# Allegro board Single PMT Data AcquisitionV_3P3.brd (continued)
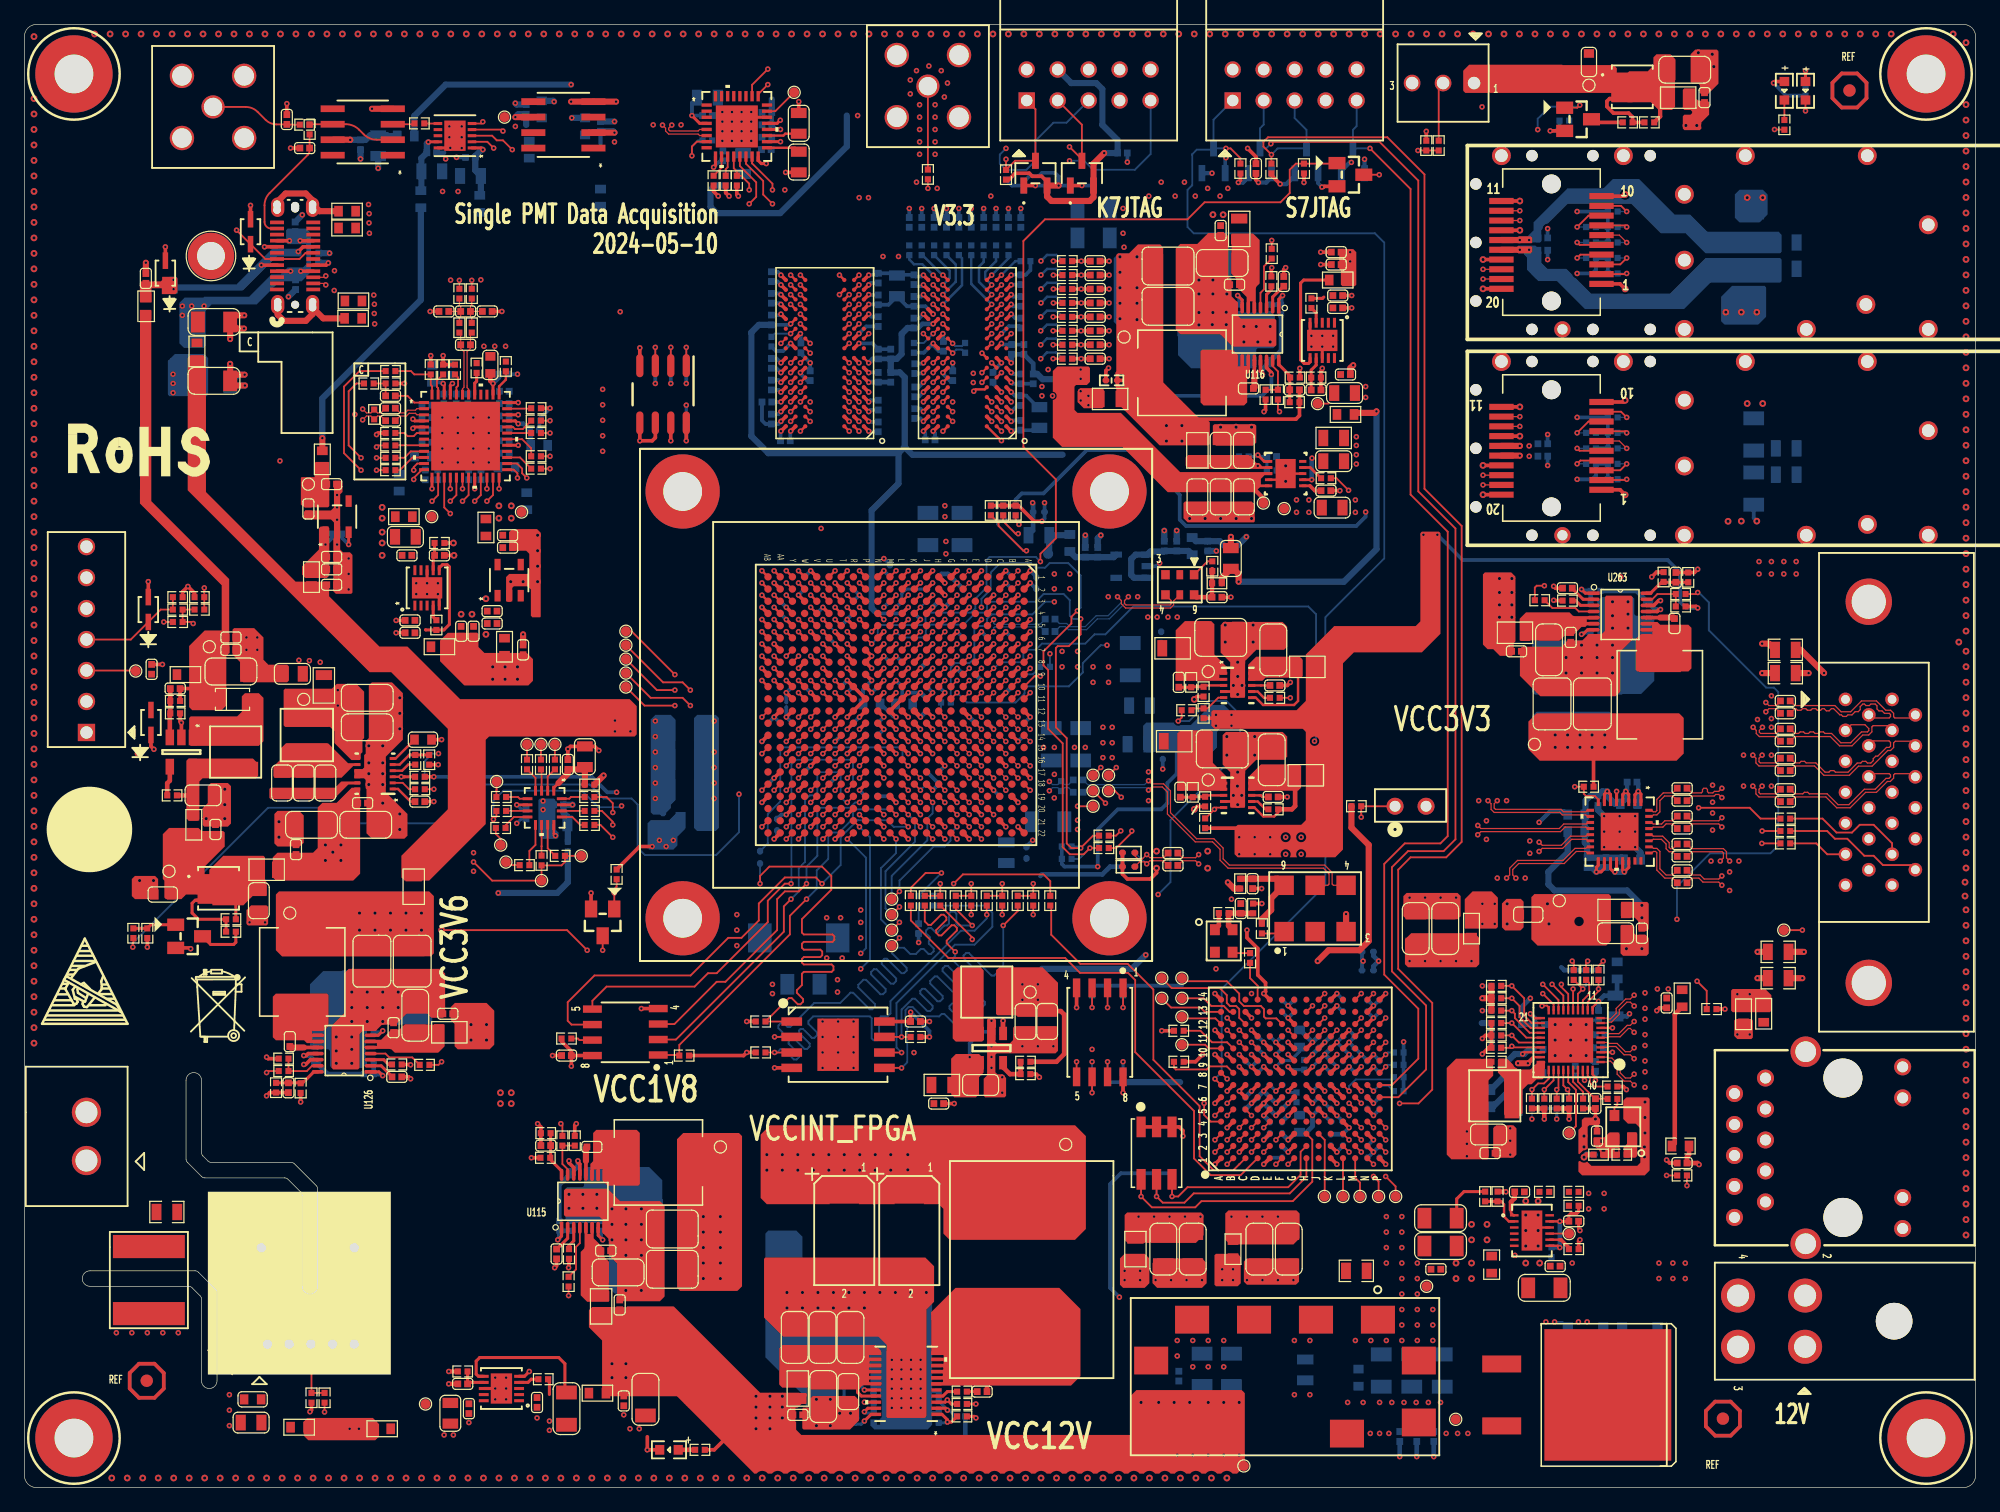
[diagram p0: board, top side]
## Routing (per net, layer and track width the routed paths; a pad name or vN(x,y) marks a point on that pad's centre or on a via; arc(x,y) is an arc through that point) (continued)
DDR3_A_WE_B: length 81.6
  TOP w0.203: U76.L3 v1(79.32,95.44) ; U1.U7 v1(65.48,69.19) ; U75.L3 v1(67.64,95.44)
  ART08 w0.102: 61.72,95.84 65.01,95.84 65.41,95.44 v1(67.64,95.44) 68.04,95.04 70.71,95.04 70.81,94.94 70.81,94.87 70.91,94.76 71.12,94.76 71.22,94.87 71.22,94.94 71.32,95.04 U76.L3 v1(79.32,95.44) 79.72,95.04 81.32,95.04 82.63,93.73 v1(83.34,93.73)
  ART08 w0.165: v1(65.48,69.19) 65.48,68.85 65.05,68.43 65.05,68.15 64.57,67.67 57.62,67.67 52.97,72.32 52.97,75.11 53.13,75.28 54.06,75.28 54.22,75.44 54.22,75.77 54.06,75.94 53.13,75.94 52.97,76.1 52.97,76.43 53.13,76.6 54.06,76.6 54.22,76.76 54.22,77.09 54.06,77.26 53.13,77.26 52.97,77.42 52.97,77.89 53.41,78.33 55.37,78.33 57.34,80.3 57.34,83.08 55.37,85.05 53.61,85.05 53.44,85.22 53.44,87.32 55.68,89.55 55.68,90 55.84,90.17 56.32,90.17 56.49,90.33 56.49,90.67 56.32,90.83 55.84,90.83 55.68,91 55.68,91.36 60.15,95.84 61.72,95.84
  BOTTOM w0.203: R480.2 84.61,94.23 83.85,94.23 v1(83.34,93.73)
DDR_POWER_GOOD: length 164
  TOP w0.152: Q10.1 v1(48.37,48.77) 48.37,49.08 48.56,49.28 R220.2 ; U1.N20 v1(70.48,55.19) ; R459.2 107.59,82.78 v1(108.58,81.79)
  ART06 w0.114: v1(48.37,48.77) 48.37,50.82 46.1,53.09 46.1,91.06 57.76,102.72 89.66,102.72 89.92,102.46 101.12,102.46 102.11,101.47 103.38,101.47 104.52,100.33 104.52,98.81 107.73,95.6 107.73,82.64 v1(108.58,81.79)
  ART08 w0.102: v1(70.48,55.19) 70.48,55.75 68.44,57.78 68.2,57.78 68.07,57.91 68.07,58.42 67.91,58.59 67.22,58.59 67.06,58.42 67.06,53.21 66.14,52.3 60.11,52.3 58.84,51.03 50.63,51.03 v1(48.37,48.77)
EEPROM_CS_B: length 32.5
  TOP w0.152: U273.1 53.66,35.48 R2152.2 53.7,36.3 62.77,45.37 62.77,46.9 v1(64.14,48.26) ; U1.M20 v1(71.48,55.19)
  BOTTOM w0.152: v1(64.14,48.26) 64.97,49.1 64.97,50.62 65.91,51.56 65.91,53.47 66.17,53.72 66.8,53.72 67.94,54.86 67.94,55.37 68.2,55.63 71.04,55.63 v1(71.48,55.19)
EEPROM_SCK: length 41.3
  TOP w0.152: U1.L21 v1(72.48,54.19) ; U273.6 44.86,37.97 44.55,38.28 44.55,39.81 46.75,42 54.63,42 57.71,45.09 58.8,45.09 60.22,46.51 60.22,47.9 62.36,50.04 64.9,50.04 v1(65.41,49.53)
  BOTTOM w0.152: v1(72.48,54.19) 71.28,54.19 70.74,54.74 68.33,54.74 66.93,53.34 66.93,51.05 v1(65.41,49.53)
EEPROM_SI: length 40.3
  TOP w0.152: U1.R18 v1(67.48,57.19) ; v1(62.87,49.53) 62.36,49.53 60.96,48.13 60.96,46.38 56.77,42.19 56.06,42.19 54.96,41.09 47.74,41.09 46.58,39.93 U273.5
  BOTTOM w0.152: v1(67.48,57.19) 67.94,57.66 67.94,59.56 67.82,59.69 63.25,59.69 62.9,59.34 62.9,49.56 v1(62.87,49.53)
EEPROM_SO: length 33.6
  TOP w0.152: U273.2 53.43,36.75 62.28,45.59 62.28,47.67 v1(62.87,48.26) ; U1.R19 v1(67.48,56.19)
  BOTTOM w0.152: v1(67.48,56.19) 67.38,56.19 66.93,56.64 66.93,58.52 66.78,58.67 65.15,58.67 65.02,58.55 65.02,57.02 64.77,56.77 64.39,56.77 64.01,56.39 64.01,51.31 63.5,50.8 63.5,48.9 v1(62.87,48.26)
EEPROM_WP_B: length 29.3
  TOP w0.152: U273.3 53.3,38.02 56.77,41.48 57.48,41.48 61.72,45.72 61.72,48.26 62.36,48.9 63.5,48.9 v1(64.14,49.53) ; U1.P19 v1(68.48,56.19)
  BOTTOM w0.152: v1(64.14,49.53) 64.14,50.93 65.02,51.82 65.02,55.63 65.15,55.75 67.69,55.75 68.13,56.19 v1(68.48,56.19)
FAN_FG: length 87
  TOP w0.152: v1(114.27,109.66) R1928.2 R1929.2 ; U1.G13 v1(76.48,62.19)
  ART03 w0.102: v1(90.17,101.73) 90.42,101.47 90.42,95.38 90.27,95.22 90.27,87.53 93.98,83.82 93.98,80.52 90.3,76.84 90.3,75.18 88.39,73.28 88.39,71.12 87,69.72 87,68.12 86.84,67.97 86.18,67.97 85.93,67.72 85.93,67.18 85.55,66.8 84.45,66.8 83.79,66.14 82.02,66.14 81.46,65.59 79.3,65.59 78.99,65.28 78.99,61.84 78.74,61.59 78.23,61.59 77.87,61.95 77.87,62.36 77.64,62.59 76.87,62.59 v1(76.48,62.19)
  ART08 w0.102: v1(90.17,101.73) 93.73,101.73 97.16,105.16 98.42,105.16 101.6,108.33 101.6,110.74 101.98,111.12 112.8,111.12 v1(114.27,109.66)
FPGA_CCLK_R: length 30.1
  TOP w0.152: v1(75.2,50.41) 73.9,50.41 72.69,49.2 R507.1 ; U1.G7 v1(76.48,69.19)
  ART03 w0.102: v1(76.48,69.19) 76.07,68.79 76.07,68.23 75.64,67.8 74.53,67.8 73.91,67.19 73.91,67.07 73.54,66.7 73.43,66.7 73.03,66.3 73.03,65.57 73.08,65.52 73.08,53.58 73.15,53.51 73.15,52.45 v1(75.2,50.41)
  BOTTOM w0.152: R508.1 R233.2 v1(75.2,50.41)
FPGA_CCLK_SFPGA: length 44.6
  TOP w0.152: 72.69,47.73 72.69,46.51 75.77,43.43 85.34,43.43 86.56,42.21 90.5,42.21 91.08,41.63 91.08,35.71 95.91,30.89 95.91,26.99 97.27,25.63 99.74,25.63 U88.D1
FPGA_CONFIG_CSI_B: length 75.3
  TOP w0.152: U1.K21 v1(73.48,54.19) ; U88.F1 v1(102.63,26.52)
  ART08 w0.102: v1(73.48,54.19) 72.9,53.61 72.9,51.77 73.48,51.19 73.48,48.56 73.21,48.29 73.06,48.29 72.68,48.67 72.54,48.67 72.39,48.53 72.39,48.38 72.77,48 72.77,47.86 72.21,47.29 72.21,46.99 72.31,46.89 73.81,46.89 73.91,46.79 73.91,46.58 73.81,46.48 72.31,46.48 72.21,46.38 72.21,46.18 72.31,46.08 73.81,46.08 73.91,45.97 73.91,45.77 73.81,45.67 72.31,45.67 72.21,45.57 72.21,44.73 71.79,44.31 71.65,44.31 71.33,44.62 71.19,44.62 71.05,44.48 71.05,44.34 71.36,44.02 71.36,43.88 70.79,43.31 70.79,43 70.89,42.9 71.63,42.9 71.73,42.8 71.73,42.6 71.63,42.49 70.89,42.49 70.79,42.39 70.79,42.19 70.89,42.09 71.63,42.09 71.73,41.99 71.73,41.78 71.63,41.68 70.89,41.68 70.79,41.58 70.79,31.52 73,29.31 75.53,29.31 75.63,29.21 75.63,28.98 75.74,28.88 75.94,28.88 76.04,28.98 76.04,29.21 76.14,29.31 76.35,29.31 76.45,29.21 76.45,28.98 76.55,28.88 76.75,28.88 76.85,28.98 76.85,29.21 76.96,29.31 77.16,29.31 77.26,29.21 77.26,28.98 77.36,28.88 77.56,28.88 77.67,28.98 77.67,29.21 77.77,29.31 77.97,29.31 78.07,29.21 78.07,28.98 78.17,28.88 78.38,28.88 78.48,28.98 78.48,29.21 78.58,29.31 90.6,29.31 91.49,28.42 96.75,28.42 97.26,28.93 98.83,28.93 99.19,28.57 99.19,28.37 99.57,27.99 102.18,27.99 102.77,27.41 102.77,26.66 v1(102.63,26.52)
FPGA_CONFIG_D0: length 58
  TOP w0.152: U88.B6 v1(98.63,31.52) ; 82.72,47.73 v1(82.72,46.99)
  ART08 w0.102: v1(98.63,31.52) 98.32,31.52 97.84,32 96.55,32 95.71,31.17 79.96,31.17 77.99,33.13 77.99,36.83 77.89,36.93 76.99,36.93 76.89,37.03 76.89,37.23 76.99,37.33 77.89,37.33 77.99,37.44 77.99,37.64 77.89,37.74 76.99,37.74 76.89,37.84 76.89,38.05 76.99,38.15 77.89,38.15 77.99,38.25 77.99,38.45 77.89,38.55 76.99,38.55 76.89,38.66 76.89,38.86 76.99,38.96 77.89,38.96 77.99,39.06 77.99,39.27 77.89,39.37 76.99,39.37 76.89,39.47 76.89,39.67 76.99,39.77 77.89,39.77 77.99,39.87 77.99,40.53 78.49,41.02 78.94,41.02 79.04,41.13 79.04,41.33 78.94,41.43 78.49,41.43 78.38,41.53 78.38,41.74 78.49,41.84 78.94,41.84 79.04,41.94 79.04,42.14 78.94,42.24 78.49,42.24 78.38,42.35 78.38,42.65 78.72,42.99 78.72,43.13 78.04,43.81 78.04,43.96 78.19,44.1 78.33,44.1 79.01,43.42 79.15,43.42 79.3,43.57 79.3,43.71 78.62,44.39 78.62,44.53 78.76,44.68 78.91,44.68 79.59,44 79.73,44 80.01,44.28 80.01,44.42 79.66,44.78 79.66,44.92 79.8,45.06 79.94,45.06 80.3,44.71 80.44,44.71 80.59,44.85 80.59,45 80.23,45.35 80.23,45.49 80.38,45.64 80.52,45.64 80.87,45.28 81.02,45.28 81.4,45.67 81.4,45.81 80.72,46.49 80.72,46.63 80.86,46.78 81.01,46.78 81.69,46.1 81.83,46.1 v1(82.72,46.99)
FPGA_CONFIG_D0_R: length 15.7
  TOP w0.152: U1.H18 v1(75.48,57.19) ; R504.1 R503.1 v1(82.72,49.53)
  ART08 w0.102: v1(82.72,49.53) 79.74,52.51 79.74,54.22 79.02,54.94 79.02,55.3 78.73,55.59 77.51,55.59 76.94,56.16 76.94,57.3 76.56,57.68 75.97,57.68 v1(75.48,57.19)
FPGA_CONFIG_D1: length 64
  TOP w0.152: U88.D3 v1(100.63,28.52) ; 77.64,47.73 v1(77.64,46.99)
  ART08 w0.102: v1(100.63,28.52) 100.63,28.83 100.12,29.34 100.12,32.74 99.84,33.02 96.77,33.02 95.63,31.88 83.82,31.88 82.43,33.26 82.29,33.26 82.01,32.98 81.87,32.98 81.73,33.13 81.73,33.27 82,33.55 82,33.69 81.86,33.84 81.72,33.84 81.44,33.56 81.29,33.56 81.15,33.7 81.15,33.85 81.43,34.12 81.43,34.8 81.33,34.9 80.38,34.9 80.27,35 80.27,35.21 80.38,35.31 81.33,35.31 81.43,35.41 81.43,35.61 81.33,35.71 80.38,35.71 80.27,35.81 80.27,36.02 80.38,36.12 81.33,36.12 81.43,36.22 81.43,36.42 81.33,36.53 80.38,36.53 80.27,36.63 80.27,36.83 80.38,36.93 81.33,36.93 81.43,37.03 81.43,37.46 81.33,37.56 80.7,37.56 80.6,37.67 80.6,37.87 80.7,37.97 81.33,37.97 81.43,38.07 81.43,38.94 81.33,39.04 80.16,39.04 80.06,39.15 80.06,39.35 80.16,39.45 81.33,39.45 81.43,39.55 81.43,39.86 81.33,39.96 80.11,39.96 80.01,40.06 80.01,40.26 80.11,40.36 81.33,40.36 81.43,40.47 81.43,40.67 81.33,40.77 80.11,40.77 80.01,40.87 80.01,41.08 80.11,41.18 81.33,41.18 81.43,41.28 81.43,42.54 81.33,42.64 81.31,42.64 81.2,42.74 81.2,42.95 81.31,43.05 81.33,43.05 81.43,43.15 81.43,43.35 81.33,43.46 81.31,43.46 81.2,43.56 81.2,43.76 81.31,43.86 81.33,43.86 81.43,43.96 81.43,44.27 83.54,46.38 83.54,47.24 83.11,47.68 78.33,47.68 v1(77.64,46.99)
FPGA_CONFIG_D1_R: length 10.5
  TOP w0.152: v1(77.64,49.53) R505.1 R506.1 ; U1.H19 v1(75.48,56.19)
  ART08 w0.102: v1(75.48,56.19) 75.48,55.33 75.87,54.94 75.87,51.3 v1(77.64,49.53)
FPGA_CONFIG_D2: length 57.6
  TOP w0.152: U88.C3 v1(99.63,28.52) ; 80.18,47.73 v1(80.18,46.99)
  ART08 w0.102: v1(99.63,28.52) 99.63,28.87 99.19,29.31 99.19,30.02 99.29,30.12 99.79,30.12 99.89,30.23 99.89,30.43 99.79,30.53 99.21,30.53 99.11,30.63 99.11,30.84 99.21,30.94 99.79,30.94 99.89,31.04 99.89,31.24 99.79,31.34 99.21,31.34 99.11,31.45 99.11,31.75 98.85,32 98.34,32 97.84,32.51 96.66,32.51 95.59,31.45 80.27,31.45 79.71,32.01 79.71,33.22 79.61,33.33 78.83,33.33 78.73,33.43 78.73,33.63 78.83,33.73 79.61,33.73 79.71,33.83 79.71,37.33 79.61,37.44 78.58,37.44 78.48,37.54 78.48,37.74 78.58,37.84 79.61,37.84 79.71,37.94 79.71,39.32 79.61,39.42 78.84,39.42 78.74,39.53 78.74,39.73 78.84,39.83 79.61,39.83 79.71,39.93 79.71,40.14 79.61,40.24 78.84,40.24 78.74,40.34 78.74,40.54 78.84,40.64 79.61,40.64 79.71,40.75 79.71,41.46 79.81,41.56 80.39,41.56 80.49,41.66 80.49,41.86 80.39,41.96 79.81,41.96 79.71,42.07 79.71,42.27 79.81,42.37 80.39,42.37 80.49,42.47 80.49,42.68 80.39,42.78 79.81,42.78 79.71,42.88 79.71,43.18 83.16,46.63 83.16,47.13 82.89,47.4 80.59,47.4 v1(80.18,46.99)
FPGA_CONFIG_D2_R: length 13.9
  TOP w0.152: v1(80.18,49.53) R509.1 R510.1 ; U1.G18 v1(76.48,57.19)
  ART08 w0.102: v1(76.48,57.19) 76.47,57.19 75.95,56.67 75.95,55.98 76.17,55.75 76.94,55.75 77.04,55.65 77.04,54.97 77.29,54.71 78.77,54.71 78.87,54.61 78.87,50.84 v1(80.18,49.53)
FPGA_CONFIG_D3: length 56.3
  TOP w0.152: v1(77.72,44.96) 77.72,45.11 75.1,47.73 ; v1(96.74,31.52) 96.74,30.56 97.28,30.02 U88.A4
  ART08 w0.102: v1(77.72,44.96) 77.72,44.1 77.62,43.99 76.94,43.99 76.83,43.89 76.83,43.69 76.94,43.59 77.62,43.59 77.72,43.49 77.72,43.18 77.62,43.08 76.02,43.08 75.92,42.98 75.92,42.78 76.02,42.67 77.62,42.67 77.72,42.57 77.72,42.37 77.62,42.27 76.02,42.27 75.92,42.17 75.92,41.96 76.02,41.86 77.62,41.86 77.72,41.76 77.72,41.56 77.62,41.45 76.02,41.45 75.92,41.35 75.92,41.15 76.02,41.05 77.62,41.05 77.72,40.95 77.72,40.6 77.62,40.5 76.63,40.5 76.02,39.89 76.02,39.49 75.92,39.39 75.33,39.39 75.23,39.29 75.23,39.09 75.33,38.99 75.92,38.99 76.02,38.88 76.02,38.68 75.92,38.58 75.33,38.58 75.23,38.48 75.23,38.27 75.33,38.17 75.92,38.17 76.02,38.07 76.02,32.3 77.46,30.86 96.08,30.86 v1(96.74,31.52)
FPGA_CONFIG_D3_R: length 15.2
  TOP w0.152: R512.1 R511.1 v1(75.1,49.53) ; U1.F19 v1(77.48,56.19)
  ART08 w0.102: v1(75.1,49.53) 74.75,49.88 74.75,52.91 75.08,53.24 75.08,55.14 74.98,55.25 74.98,57.53 75.08,57.63 75.49,57.63 75.82,57.96 76.57,57.96 77.48,57.06 v1(77.48,56.19)
FPGA_CONFIG_D4: length 78.1
  TOP w0.152: U88.A3 v1(97.63,28.52) ; U1.G20 v1(76.48,55.19)
  ART03 w0.102: v1(97.63,28.52) 96.6,28.52 94.39,30.73 94.39,30.87 94.41,30.89 94.41,31.03 94.27,31.18 94.12,31.18 94.11,31.16 93.96,31.16 93.14,31.98 92.33,31.98 92.23,32.08 92.23,32.72 92.13,32.82 91.92,32.82 91.82,32.72 91.82,32.08 91.72,31.98 91.52,31.98 91.42,32.08 91.42,32.72 91.31,32.82 91.11,32.82 91.01,32.72 91.01,32.08 90.91,31.98 81.85,31.98 81.25,32.58 81.25,34.91 81.15,35.01 80.4,35.01 80.3,35.11 80.3,35.32 80.4,35.42 81.15,35.42 81.25,35.52 81.25,35.66 79.43,37.49 79.15,37.49 79.04,37.6 78.89,37.6 78.7,37.4 78.55,37.4 78.41,37.54 78.41,37.69 78.61,37.89 78.61,38.03 78.31,38.33 77.83,38.33 74.17,41.99 74.17,42.44 74.07,42.55 73.68,42.55 73.58,42.65 73.58,42.85 73.68,42.95 74.07,42.95 74.27,43.16 75.44,43.16 75.54,43.26 75.54,43.46 75.44,43.56 74.27,43.56 74.17,43.66 74.17,43.87 74.27,43.97 75.44,43.97 75.54,44.07 75.54,44.27 75.44,44.37 74.27,44.37 74.17,44.48 74.17,44.68 74.27,44.78 75.44,44.78 75.54,44.88 75.54,45.09 75.44,45.19 74.27,45.19 74.17,45.29 74.17,45.47 74.07,45.58 73.67,45.58 73.56,45.68 73.56,45.88 73.67,45.98 74.07,45.98 74.17,46.08 74.17,46.53 74.84,47.2 74.98,47.2 76.06,46.12 76.2,46.12 76.34,46.26 76.34,46.41 75.27,47.48 75.27,47.63 75.41,47.77 75.55,47.77 76.63,46.7 76.77,46.7 76.92,46.84 76.92,46.98 75.84,48.06 75.84,48.2 75.99,48.35 76.13,48.35 77.21,47.27 77.35,47.27 77.49,47.41 77.49,47.56 76.42,48.63 76.42,48.78 76.56,48.92 76.7,48.92 77.78,47.85 77.92,47.85 78.07,47.99 78.07,48.13 76.99,49.21 76.99,49.35 77.21,49.57 77.21,50.9 74.96,53.16 74.96,53.44 74.8,53.59 74.43,53.59 74.08,53.95 74.08,54.78 74.5,55.19 v1(76.48,55.19)
FPGA_CONFIG_D5: length 75.8
  TOP w0.152: U88.B3 v1(98.63,28.52) ; U1.F20 v1(77.48,55.19)
  ART03 w0.102: v1(77.48,55.19) 77.95,54.72 77.95,52.81 78.34,52.42 78.48,52.42 78.89,52.84 79.04,52.84 79.18,52.69 79.18,52.55 78.77,52.14 78.77,51.99 78.98,51.78 79.13,51.78 80.18,52.83 80.32,52.83 80.46,52.68 80.46,52.54 79.41,51.49 79.41,51.35 79.63,51.13 79.77,51.13 81.29,52.65 81.44,52.65 81.58,52.51 81.58,52.36 80.06,50.84 80.06,50.7 80.3,50.46 80.44,50.46 81.72,51.74 81.86,51.74 82.01,51.6 82.01,51.45 80.73,50.18 80.73,50.03 81.18,49.58 81.18,49.14 81.28,49.03 82.52,49.03 82.63,48.93 82.63,48.73 82.52,48.63 81.28,48.63 81.18,48.53 81.18,47.41 81.28,47.3 81.94,47.3 82.04,47.2 82.04,47 81.94,46.9 81.28,46.9 81.18,46.8 81.18,46.51 81.46,46.22 81.61,46.22 81.83,46.45 81.98,46.45 82.12,46.3 82.12,46.16 81.9,45.93 81.9,45.79 82.04,45.65 82.18,45.65 82.41,45.87 82.55,45.87 82.69,45.73 82.69,45.58 82.47,45.36 82.47,45.22 82.61,45.07 82.76,45.07 82.98,45.3 83.13,45.3 83.27,45.15 83.27,45.01 83.05,44.78 83.05,44.64 83.19,44.5 83.33,44.5 83.56,44.72 83.7,44.72 83.85,44.58 83.85,44.43 83.62,44.21 83.62,44.07 85.39,42.29 96.88,42.29 97.54,42.95 97.88,42.95 98.54,42.29 103.18,42.29 104.02,41.45 104.02,29.98 103.82,29.78 103.57,29.78 103.02,29.23 103.02,28.23 102.92,28.12 98.73,28.12 98.63,28.23 v1(98.63,28.52)
FPGA_CONFIG_D6: length 79.2
  TOP w0.152: U88.A2 v1(97.63,27.52) ; U1.L18 v1(72.48,57.19)
  ART08 w0.102: v1(97.63,27.52) 93.62,27.52 93.52,27.42 93.52,26.59 93.42,26.49 93.22,26.49 93.11,26.59 93.11,27.42 93.01,27.52 92.81,27.52 92.71,27.42 92.71,26.59 92.61,26.49 92.4,26.49 92.3,26.59 92.3,27.42 92.2,27.52 92,27.52 91.9,27.42 91.9,26.59 91.79,26.49 91.59,26.49 91.49,26.59 91.49,27.42 91.39,27.52 91.13,27.52 90.57,28.07 72.78,28.07 69.85,31 69.85,47.96 69.95,48.06 70.64,48.06 70.74,48.17 70.74,48.37 70.64,48.47 69.95,48.47 69.85,48.57 69.85,48.78 69.95,48.88 70.64,48.88 70.74,48.98 70.74,49.18 70.64,49.28 69.95,49.28 69.85,49.38 69.85,49.69 69.95,49.79 72.06,49.79 72.16,49.89 72.16,50.1 72.06,50.2 69.95,50.2 69.85,50.3 69.85,50.5 69.95,50.6 72.06,50.6 72.16,50.71 72.16,50.91 72.06,51.01 69.95,51.01 69.85,51.11 69.85,51.8 69.95,51.9 70.76,51.9 70.87,52 70.87,52.2 70.76,52.31 69.95,52.31 69.85,52.41 69.85,53.21 70.36,53.72 70.56,53.72 70.95,54.11 71.1,54.11 71.39,53.81 71.54,53.81 71.68,53.95 71.68,54.1 71.38,54.4 71.38,54.54 71.53,54.69 71.67,54.69 71.97,54.39 72.11,54.39 72.26,54.53 72.26,54.67 71.96,54.97 71.96,56.67 v1(72.48,57.19)
FPGA_CONFIG_D7: length 78.1
  TOP w0.152: U1.K19 v1(73.48,56.19) ; U88.B5 v1(98.63,30.52)
  ART08 w0.102: v1(73.48,56.19) 73.48,55.75 73.87,55.36 73.87,54.03 73.18,53.34 73.18,51.88 73.91,51.14 73.91,47.62 74.19,47.35 74.19,45.71 74.3,45.6 75.06,45.6 75.16,45.5 75.16,45.3 75.06,45.2 74.3,45.2 74.19,45.1 74.19,44.6 73.25,43.66 72.04,43.66 71.94,43.56 71.94,43.36 72.04,43.26 73.25,43.26 73.36,43.15 73.36,42.95 73.25,42.85 72.04,42.85 71.94,42.75 71.94,42.55 72.04,42.44 73.25,42.44 73.36,42.34 73.36,42.04 73.25,41.94 72.09,41.94 71.98,41.83 71.98,41.63 72.09,41.53 73.25,41.53 73.36,41.43 73.36,41.12 73.25,41.02 71.15,41.02 71.04,40.92 71.04,40.72 71.15,40.61 73.25,40.61 73.36,40.51 73.36,40.21 73.25,40.11 71.34,40.11 71.24,40.01 71.24,39.8 71.34,39.7 72.84,39.7 73.34,39.2 73.34,38.51 73.24,38.4 71.85,38.4 71.75,38.3 71.75,38.1 71.85,38 73.24,38 73.34,37.9 73.34,37.47 73.24,37.37 72.61,37.37 72.51,37.27 72.51,37.06 72.61,36.96 73.24,36.96 73.34,36.86 73.34,35.1 73.24,35 72.45,35 72.34,34.9 72.34,34.69 72.45,34.59 73.24,34.59 73.34,34.49 73.34,33.98 73.24,33.88 73.03,33.88 72.92,33.78 72.92,33.58 73.03,33.47 73.24,33.47 73.34,33.37 73.34,30.7 74.04,30 98.1,30 v1(98.63,30.52)
FPGA_CONFIG_D8: length 79.6
  TOP w0.152: U1.K17 v1(73.48,58.19) ; U88.A5 v1(97.63,30.52)
  ART08 w0.102: v1(97.63,30.52) 76.4,30.52 76.3,30.62 76.3,30.82 76.2,30.92 76,30.92 75.89,30.82 75.89,30.62 75.79,30.52 75.59,30.52 75.49,30.62 75.49,30.82 75.39,30.92 75.18,30.92 75.08,30.82 75.08,30.62 74.98,30.52 74.79,30.52 74.61,30.7 74.61,31.75 74.51,31.85 73.89,31.85 73.79,31.95 73.79,32.16 73.89,32.26 74.51,32.26 74.61,32.36 74.61,32.56 74.51,32.66 73.89,32.66 73.79,32.77 73.79,32.97 73.89,33.07 74.51,33.07 74.61,33.17 74.61,33.38 74.51,33.48 73.89,33.48 73.79,33.58 73.79,33.78 73.89,33.88 74.51,33.88 74.61,33.99 74.61,34.19 74.51,34.29 73.89,34.29 73.79,34.39 73.79,34.59 73.89,34.7 74.51,34.7 74.61,34.8 74.61,35 74.51,35.1 73.89,35.1 73.79,35.2 73.79,35.41 73.89,35.51 74.51,35.51 74.61,35.61 74.61,35.81 74.51,35.92 73.89,35.92 73.79,36.02 73.79,36.22 73.89,36.32 74.51,36.32 74.61,36.42 74.61,38.45 73.63,39.42 73.63,39.85 73.74,39.95 75.54,39.95 75.64,40.06 75.64,40.26 75.54,40.36 73.74,40.36 73.63,40.46 73.63,40.67 73.74,40.77 75.54,40.77 75.64,40.87 75.64,41.07 75.54,41.17 73.74,41.17 73.63,41.27 73.63,41.48 73.74,41.58 75.54,41.58 75.64,41.68 75.64,41.88 75.54,41.99 73.74,41.99 73.63,42.09 73.63,42.29 73.74,42.39 75.54,42.39 75.64,42.49 75.64,42.7 75.54,42.8 73.74,42.8 73.63,42.9 73.63,43.21 75.49,45.06 75.49,46.45 74.19,47.74 74.19,51.51 74.02,51.69 74.02,53.7 74.12,53.8 74.64,53.8 74.87,54.03 74.87,54.8 74.07,55.6 74.07,57.6 v1(73.48,58.19)
FPGA_CONFIG_D9: length 71.8
  TOP w0.152: U88.B2 v1(98.63,27.52) ; U1.E21 v1(78.48,54.19)
  ART08 w0.102: v1(98.63,27.52) 98.63,27.21 99.03,26.8 99.03,26.24 99.66,25.62 103.64,25.62 104.22,26.19 104.22,28.75 103.35,29.62 102.72,29.62 102.13,30.2 102.13,34.57 101.79,34.91 95.87,34.91 95.45,35.33 91.19,35.33 91.09,35.23 91.09,34.87 90.99,34.77 90.78,34.77 90.68,34.87 90.68,35.23 90.58,35.33 89.16,35.33 89.06,35.43 89.06,35.53 88.96,35.64 88.76,35.64 88.65,35.53 88.65,35.43 88.55,35.33 86.36,35.33 86.26,35.43 86.26,36.26 86.16,36.36 85.95,36.36 85.85,36.26 85.85,35.43 85.75,35.33 85.55,35.33 85.45,35.43 85.45,36.26 85.34,36.36 85.14,36.36 85.04,36.26 85.04,35.43 84.94,35.33 84.23,35.33 83.51,36.05 83.51,37.36 83.41,37.47 82.63,37.47 82.52,37.57 82.52,37.77 82.63,37.87 83.41,37.87 83.51,37.97 83.51,38.18 83.41,38.28 82.63,38.28 82.52,38.38 82.52,38.58 82.63,38.68 83.41,38.68 83.51,38.79 83.51,38.99 83.41,39.09 82.63,39.09 82.52,39.19 82.52,39.4 82.63,39.5 83.41,39.5 83.51,39.6 83.51,41.61 82.63,42.49 82.63,44.68 84.1,46.15 84.1,47.49 83.35,48.23 79.24,48.23 78.88,48.59 78.88,49.26 77.87,50.27 77.87,53.59 v1(78.48,54.19)
FPGA_CONFIG_D10: length 73.1
  TOP w0.152: U88.B1 v1(98.63,26.52) ; U1.E22 v1(78.48,53.19)
  ART03 w0.102: v1(98.63,26.52) 99.06,26.95 99.06,27.69 99.29,27.91 103.12,27.91 103.23,28.02 103.23,29.06 103.63,29.46 104.27,29.46 104.39,29.59 104.39,42.29 103.45,43.23 96.81,43.23 94.36,45.68 94.22,45.68 94.03,45.49 93.88,45.49 93.74,45.63 93.74,45.78 93.93,45.97 93.93,46.11 93.79,46.26 93.64,46.26 93.45,46.07 93.31,46.07 93.17,46.21 93.17,46.35 93.36,46.54 93.36,46.69 93.21,46.83 93.07,46.83 92.88,46.64 92.73,46.64 92.59,46.78 92.59,46.93 92.78,47.12 92.78,47.26 90,50.04 87.05,50.04 86.94,49.94 86.94,48.65 86.84,48.55 86.64,48.55 86.54,48.65 86.54,49.94 86.44,50.04 86.23,50.04 86.13,49.94 86.13,48.65 86.03,48.55 85.83,48.55 85.72,48.65 85.72,49.94 85.62,50.04 85.42,50.04 85.32,49.94 85.32,48.65 85.22,48.55 85.01,48.55 84.91,48.65 84.91,49.94 84.81,50.04 84.61,50.04 84.51,49.94 84.51,48.65 84.4,48.55 84.2,48.55 84.1,48.65 84.1,49.94 84,50.04 83.79,50.04 83.69,49.94 83.69,48.65 83.59,48.55 83.39,48.55 83.29,48.65 83.29,49.94 83.19,50.04 82.17,50.04 82.07,50.15 82.07,50.35 82.17,50.45 83.03,50.45 83.13,50.55 83.13,50.86 83.03,50.96 82.39,50.96 82.29,51.06 82.29,51.26 82.39,51.36 83.03,51.36 83.13,51.47 83.13,52.08 82.01,53.19 v1(78.48,53.19)
FPGA_CONFIG_D11: length 78.4
  TOP w0.152: U1.H22 v1(75.48,53.19) ; U88.C5 v1(100.62,30.52)
  ART03 w0.102: v1(75.48,53.19) 77.55,51.12 77.55,50.2 78.38,49.36 78.38,47.04 77.9,46.56 77.19,46.56 76.94,46.31 76.94,46.16 77.53,45.57 77.53,45.43 77.39,45.28 77.25,45.28 76.65,45.88 76.51,45.88 75.87,45.24 75.87,42.88 75.77,42.77 74.6,42.77 74.5,42.67 74.5,42.47 74.6,42.37 75.77,42.37 75.87,42.27 75.87,41.96 75.77,41.86 75.21,41.86 75.11,41.76 75.11,41.56 75.21,41.45 75.77,41.45 75.87,41.35 75.87,40.92 76.09,40.7 76.23,40.7 76.77,41.25 76.92,41.25 77.06,41.1 77.06,40.96 76.52,40.42 76.52,40.27 76.66,40.13 76.8,40.13 77.35,40.67 77.49,40.67 77.63,40.53 77.63,40.38 77.09,39.84 77.09,39.7 78,38.79 79.45,38.79 79.79,38.44 79.79,37.58 81.61,35.76 81.61,34.42 81.95,34.08 81.95,33.93 81.63,33.62 81.63,33.47 81.77,33.33 81.92,33.33 82.24,33.65 82.38,33.65 82.78,33.25 83.71,33.25 83.81,33.15 83.81,32.5 83.91,32.4 84.12,32.4 84.22,32.5 84.22,33.15 84.32,33.25 84.52,33.25 84.63,33.15 84.63,32.5 84.73,32.4 84.93,32.4 85.03,32.5 85.03,33.15 85.13,33.25 85.74,33.25 85.87,33.38 85.87,35.55 86.77,36.44 86.77,37.45 86.87,37.55 87.5,37.55 87.6,37.65 87.6,37.86 87.5,37.96 86.87,37.96 86.77,38.06 86.77,38.39 86.87,38.5 87.83,38.5 87.93,38.6 87.93,38.8 87.83,38.9 86.87,38.9 86.77,39 86.77,39.42 88.27,40.92 99.36,40.92 101.04,39.24 101.04,30.91 100.65,30.52 v1(100.62,30.52)
FPGA_CONFIG_D12: length 75.2
  TOP w0.152: U1.G22 v1(76.48,53.19) ; U88.C4 v1(99.63,29.52)
  ART03 w0.102: v1(76.48,53.19) 77.18,52.49 77.32,52.49 77.48,52.65 77.63,52.65 77.77,52.51 77.77,52.37 77.61,52.2 77.61,52.06 77.75,51.92 77.9,51.92 78.06,52.08 78.2,52.08 78.35,51.94 78.35,51.79 78.18,51.63 78.18,51.48 78.6,51.07 78.6,50.92 78.33,50.65 78.33,50.5 78.47,50.36 78.61,50.36 78.89,50.64 79.03,50.64 79.18,50.49 79.18,50.35 78.9,50.07 78.9,49.93 79.04,49.78 79.19,49.78 79.46,50.06 79.61,50.06 79.73,49.94 80.35,49.94 80.59,49.7 80.59,49.12 80.49,49.01 79.7,49.01 79.6,48.91 79.6,48.71 79.7,48.61 80.49,48.61 80.59,48.51 80.59,46.34 80.84,46.1 80.84,45.95 79.81,44.92 79.81,44.78 79.95,44.64 80.09,44.64 81.12,45.67 81.27,45.67 81.41,45.52 81.41,45.38 80.38,44.35 80.38,44.21 80.53,44.06 80.67,44.06 81.7,45.09 81.84,45.09 81.99,44.95 81.99,44.8 80.96,43.77 80.96,43.63 81.1,43.49 81.24,43.49 82.27,44.52 82.42,44.52 82.56,44.37 82.56,44.23 81.53,43.2 81.53,43.05 81.68,42.91 81.82,42.91 82.85,43.94 82.99,43.94 83.14,43.8 83.14,43.65 82.11,42.62 82.11,42.48 82.25,42.34 82.39,42.34 83.42,43.37 83.57,43.37 83.9,43.03 83.9,42.89 83.13,42.12 83.13,41.98 83.27,41.83 83.42,41.83 84.19,42.6 84.33,42.6 84.48,42.46 84.48,42.32 83.7,41.54 83.7,41.4 83.85,41.26 83.99,41.26 84.76,42.03 84.91,42.03 85.07,41.86 102.11,41.86 103.17,40.79 103.17,29.84 102.45,29.12 100.01,29.12 99.63,29.51 v1(99.63,29.52)
FPGA_CONFIG_D13: length 72.4
  TOP w0.152: U1.F21 v1(77.48,54.19) ; U88.E4 v1(101.63,29.52)
  ART08 w0.102: v1(77.48,54.19) 76.87,53.59 76.87,50.88 78.08,49.67 78.08,48.99 79.12,47.96 83.24,47.96 83.82,47.37 83.82,46.26 82.24,44.69 82.24,44.23 82.14,44.13 81.89,44.13 81.79,44.03 81.79,43.83 81.89,43.72 82.14,43.72 82.24,43.62 82.24,43.42 82.14,43.32 81.89,43.32 81.79,43.22 81.79,43.01 81.89,42.91 82.14,42.91 82.24,42.81 82.24,39.39 82.14,39.29 81.92,39.29 81.81,39.19 81.81,38.99 81.92,38.89 82.14,38.89 82.24,38.78 82.24,38.58 82.14,38.48 81.92,38.48 81.81,38.38 81.81,38.17 81.92,38.07 82.14,38.07 82.24,37.97 82.24,37.77 82.14,37.67 81.92,37.67 81.81,37.56 81.81,37.36 81.92,37.26 82.14,37.26 82.24,37.16 82.24,35.36 84.66,32.94 84.96,32.94 85.06,33.05 85.06,34.39 85.17,34.49 85.37,34.49 85.47,34.39 85.47,33.05 85.57,32.94 85.78,32.94 85.88,33.05 85.88,34.39 85.98,34.49 86.18,34.49 86.28,34.39 86.28,33.05 86.39,32.94 86.59,32.94 86.69,33.05 86.69,34.39 86.79,34.49 87,34.49 87.1,34.39 87.1,33.05 87.2,32.94 87.4,32.94 87.5,33.05 87.5,34.39 87.6,34.49 87.81,34.49 87.91,34.39 87.91,33.05 88.01,32.94 88.21,32.94 88.32,33.05 88.32,34.39 88.42,34.49 88.62,34.49 88.72,34.39 88.72,33.05 88.82,32.94 89.24,32.94 89.34,33.05 89.34,33.59 89.44,33.7 89.65,33.7 89.75,33.59 89.75,33.05 89.85,32.94 90.05,32.94 90.16,33.05 90.16,33.59 90.26,33.7 90.46,33.7 90.56,33.59 90.56,33.05 90.66,32.94 90.87,32.94 90.97,33.05 90.97,33.59 91.07,33.7 91.27,33.7 91.37,33.59 91.37,33.05 91.48,32.94 95.48,32.94 96.47,33.93 100.71,33.93 101.17,33.48 101.17,30 101.63,29.54 v1(101.63,29.52)
FPGA_CONFIG_D14: length 78
  TOP w0.152: U1.J21 v1(74.48,54.19) ; U88.D4 v1(100.63,29.52)
  ART03 w0.102: v1(74.48,54.19) 74.95,54.66 75.79,54.66 76.07,54.38 76.07,53.01 77.9,51.18 77.9,50.44 79.32,49.03 79.32,48.72 79.22,48.62 78.77,48.62 78.66,48.52 78.66,48.31 78.77,48.21 79.22,48.21 79.32,48.11 79.32,45.98 79.1,45.76 78.96,45.76 78.54,46.19 78.39,46.19 78.25,46.04 78.25,45.9 78.67,45.48 78.67,45.33 77.72,44.38 77.58,44.38 76.83,45.14 76.68,45.14 76.54,44.99 76.54,44.85 77.29,44.1 77.29,43.95 76.87,43.53 76.87,43.23 76.77,43.13 76.25,43.13 76.15,43.02 76.15,42.82 76.25,42.72 76.77,42.72 76.87,42.62 76.87,42.24 78.14,40.98 78.14,40.83 78,40.69 78,40.55 78.15,40.41 78.29,40.41 78.43,40.54 78.57,40.54 82.24,36.87 82.24,34.98 82.7,34.52 83.58,34.52 83.69,34.42 83.69,33.68 83.79,33.58 83.99,33.58 84.09,33.68 84.09,34.42 84.19,34.52 84.86,34.52 85.01,34.67 85.01,36.24 85.12,36.34 86,36.34 86.1,36.44 86.1,36.64 86,36.74 85.12,36.74 85.01,36.85 85.01,37.01 85.74,37.73 85.74,38.15 85.84,38.26 86.34,38.26 86.44,38.36 86.44,38.56 86.34,38.66 85.84,38.66 85.74,38.76 85.74,40.25 86.33,40.84 86.47,40.84 86.97,40.34 87.11,40.34 87.26,40.48 87.26,40.63 86.76,41.12 86.76,41.27 87,41.5 100.53,41.5 101.12,40.92 101.12,40.16 102.03,39.24 102.03,30.18 101.83,29.97 101.09,29.97 100.64,29.52 v1(100.63,29.52)